# Altium PCB Mag256_9mm.PcbDoc (part 2 of 6)
Units mm, origin at the board's own origin, x right, y up, seen from the top; angles counter-clockwise.
Board outline 174.75 x 142 mm, 6 copper layers (L1 (SIG), L2 (GND), L3 (SIG), L4 (GND), L5 (PWR), L6 (SIG)), stack 1.597 mm thick; 756 components, 438 nets, 2517 pads, 2145 vias.
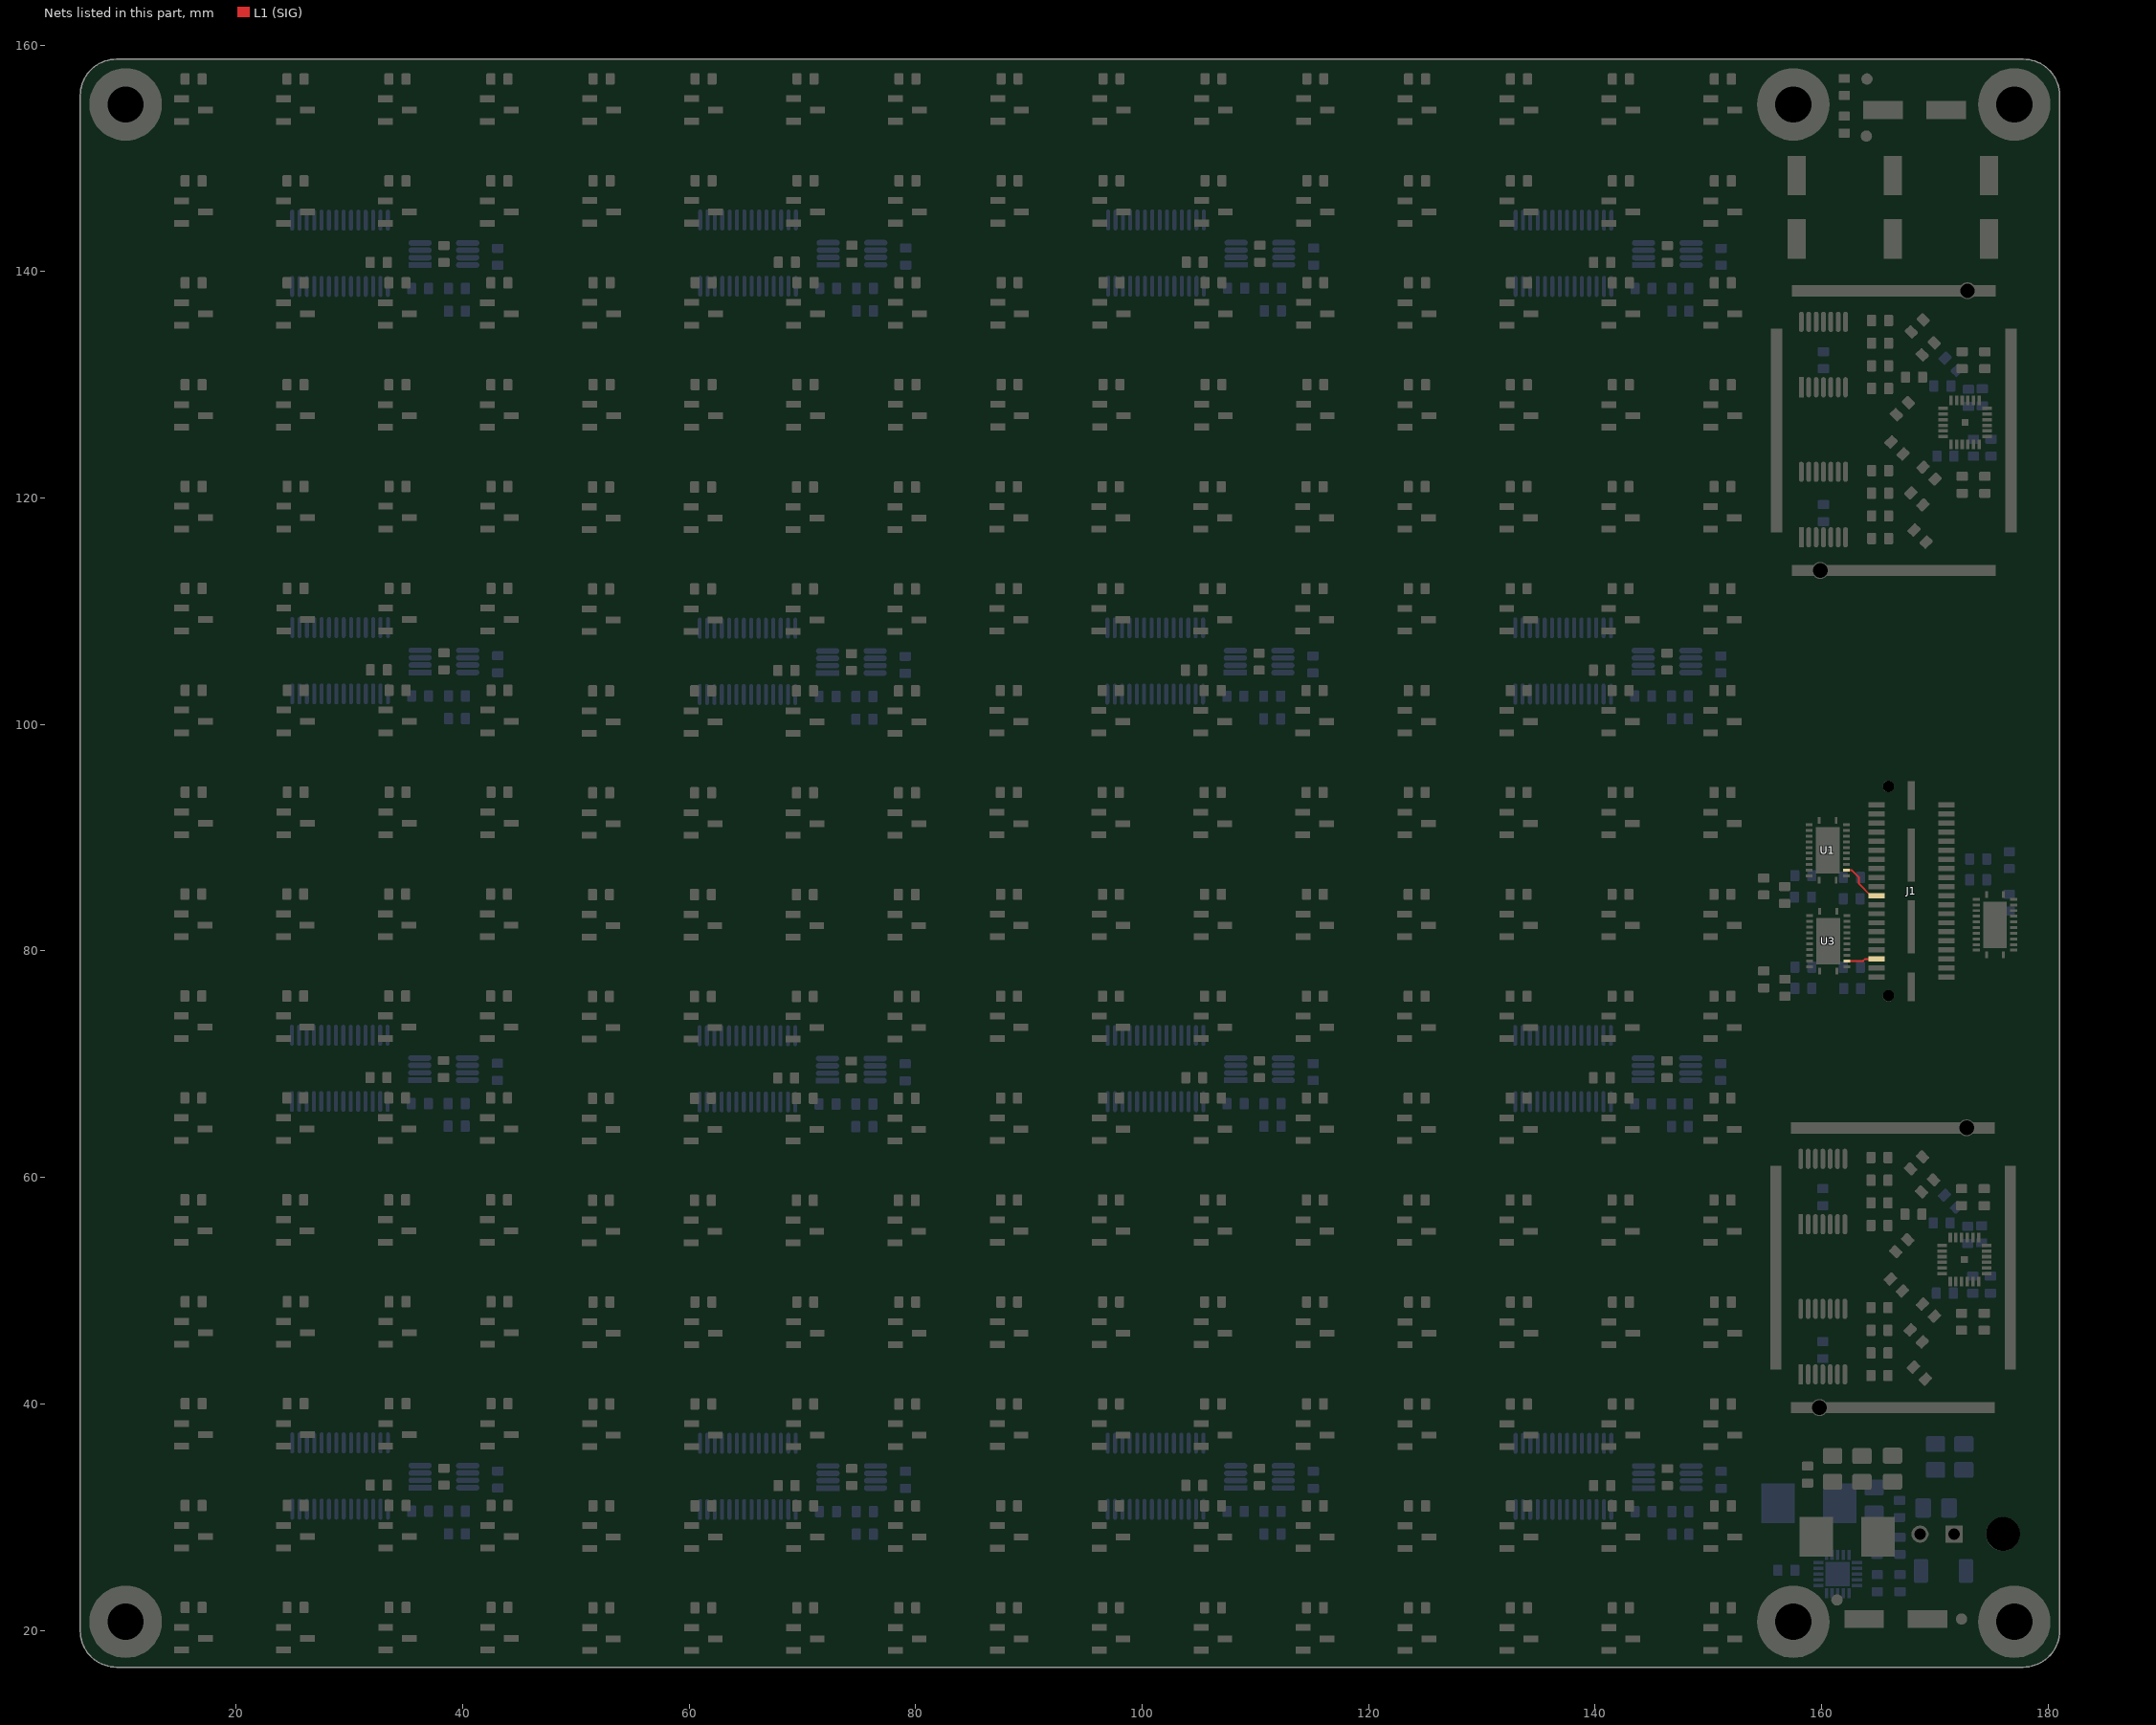
[diagram p6: the nets of this part, all layers, seen from the top]

## Components (designator, comment, footprint, x,y, rotation, side; value= is the part's Value field where it differs from the comment) (continued)
MAG8_B8 "DRV5055A4" SOT100P237X112-3N 142.242,109.251 r0 top (schematic designator MAG8)
MAG8_B9 "DRV5055A4" SOT100P237X112-3N 34.223,73.27 r0 top (schematic designator MAG8)
MAG8_B10 "DRV5055A4" SOT100P237X112-3N 70.224,73.227 r0 top (schematic designator MAG8)
MAG8_B11 "DRV5055A4" SOT100P237X112-3N 106.255,73.257 r0 top (schematic designator MAG8)
MAG8_B12 "DRV5055A4" SOT100P237X112-3N 142.236,73.251 r0 top (schematic designator MAG8)
MAG8_B13 "DRV5055A4" SOT100P237X112-3N 34.255,37.271 r0 top (schematic designator MAG8)
MAG8_B14 "DRV5055A4" SOT100P237X112-3N 70.262,37.241 r0 top (schematic designator MAG8)
MAG8_B15 "DRV5055A4" SOT100P237X112-3N 106.261,37.249 r0 top (schematic designator MAG8)
MAG8_B16 "DRV5055A4" SOT100P237X112-3N 142.274,37.234 r0 top (schematic designator MAG8)
MAG9_B1 "DRV5055A4" SOT100P237X112-3N 16.25,136.25 r0 top (schematic designator MAG9)
MAG9_B2 "DRV5055A4" SOT100P237X112-3N 52.279,136.268 r0 top (schematic designator MAG9)
MAG9_B3 "DRV5055A4" SOT100P237X112-3N 88.298,136.27 r0 top (schematic designator MAG9)
MAG9_B4 "DRV5055A4" SOT100P237X112-3N 124.273,136.25 r0 top (schematic designator MAG9)
MAG9_B5 "DRV5055A4" SOT100P237X112-3N 16.256,100.27 r0 top (schematic designator MAG9)
MAG9_B6 "DRV5055A4" SOT100P237X112-3N 52.233,100.215 r0 top (schematic designator MAG9)
MAG9_B7 "DRV5055A4" SOT100P237X112-3N 88.229,100.246 r0 top (schematic designator MAG9)
MAG9_B8 "DRV5055A4" SOT100P237X112-3N 124.242,100.251 r0 top (schematic designator MAG9)
MAG9_B9 "DRV5055A4" SOT100P237X112-3N 16.223,64.27 r0 top (schematic designator MAG9)
MAG9_B10 "DRV5055A4" SOT100P237X112-3N 52.224,64.227 r0 top (schematic designator MAG9)
MAG9_B11 "DRV5055A4" SOT100P237X112-3N 88.255,64.257 r0 top (schematic designator MAG9)
MAG9_B12 "DRV5055A4" SOT100P237X112-3N 124.236,64.251 r0 top (schematic designator MAG9)
MAG9_B13 "DRV5055A4" SOT100P237X112-3N 16.255,28.271 r0 top (schematic designator MAG9)
MAG9_B14 "DRV5055A4" SOT100P237X112-3N 52.262,28.241 r0 top (schematic designator MAG9)
MAG9_B15 "DRV5055A4" SOT100P237X112-3N 88.261,28.249 r0 top (schematic designator MAG9)
MAG9_B16 "DRV5055A4" SOT100P237X112-3N 124.274,28.234 r0 top (schematic designator MAG9)
MAG10_B1 "DRV5055A4" SOT100P237X112-3N 25.25,136.25 r0 top (schematic designator MAG10)
MAG10_B2 "DRV5055A4" SOT100P237X112-3N 61.279,136.268 r0 top (schematic designator MAG10)
MAG10_B3 "DRV5055A4" SOT100P237X112-3N 97.298,136.27 r0 top (schematic designator MAG10)
MAG10_B4 "DRV5055A4" SOT100P237X112-3N 133.273,136.25 r0 top (schematic designator MAG10)
MAG10_B5 "DRV5055A4" SOT100P237X112-3N 25.256,100.27 r0 top (schematic designator MAG10)
MAG10_B6 "DRV5055A4" SOT100P237X112-3N 61.233,100.215 r0 top (schematic designator MAG10)
MAG10_B7 "DRV5055A4" SOT100P237X112-3N 97.229,100.246 r0 top (schematic designator MAG10)
MAG10_B8 "DRV5055A4" SOT100P237X112-3N 133.242,100.251 r0 top (schematic designator MAG10)
MAG10_B9 "DRV5055A4" SOT100P237X112-3N 25.223,64.27 r0 top (schematic designator MAG10)
MAG10_B10 "DRV5055A4" SOT100P237X112-3N 61.224,64.227 r0 top (schematic designator MAG10)
MAG10_B11 "DRV5055A4" SOT100P237X112-3N 97.255,64.257 r0 top (schematic designator MAG10)
MAG10_B12 "DRV5055A4" SOT100P237X112-3N 133.236,64.251 r0 top (schematic designator MAG10)
MAG10_B13 "DRV5055A4" SOT100P237X112-3N 25.255,28.271 r0 top (schematic designator MAG10)
MAG10_B14 "DRV5055A4" SOT100P237X112-3N 61.262,28.241 r0 top (schematic designator MAG10)
MAG10_B15 "DRV5055A4" SOT100P237X112-3N 97.261,28.249 r0 top (schematic designator MAG10)
MAG10_B16 "DRV5055A4" SOT100P237X112-3N 133.274,28.234 r0 top (schematic designator MAG10)
MAG11_B1 "DRV5055A4" SOT100P237X112-3N 16.25,127.25 r0 top (schematic designator MAG11)
MAG11_B2 "DRV5055A4" SOT100P237X112-3N 52.279,127.268 r0 top (schematic designator MAG11)
MAG11_B3 "DRV5055A4" SOT100P237X112-3N 88.298,127.27 r0 top (schematic designator MAG11)
MAG11_B4 "DRV5055A4" SOT100P237X112-3N 124.273,127.25 r0 top (schematic designator MAG11)
MAG11_B5 "DRV5055A4" SOT100P237X112-3N 16.256,91.27 r0 top (schematic designator MAG11)
MAG11_B6 "DRV5055A4" SOT100P237X112-3N 52.233,91.215 r0 top (schematic designator MAG11)
MAG11_B7 "DRV5055A4" SOT100P237X112-3N 88.229,91.246 r0 top (schematic designator MAG11)
MAG11_B8 "DRV5055A4" SOT100P237X112-3N 124.242,91.251 r0 top (schematic designator MAG11)
MAG11_B9 "DRV5055A4" SOT100P237X112-3N 16.223,55.27 r0 top (schematic designator MAG11)
MAG11_B10 "DRV5055A4" SOT100P237X112-3N 52.224,55.227 r0 top (schematic designator MAG11)
MAG11_B11 "DRV5055A4" SOT100P237X112-3N 88.255,55.257 r0 top (schematic designator MAG11)
MAG11_B12 "DRV5055A4" SOT100P237X112-3N 124.236,55.251 r0 top (schematic designator MAG11)
MAG11_B13 "DRV5055A4" SOT100P237X112-3N 16.255,19.271 r0 top (schematic designator MAG11)
MAG11_B14 "DRV5055A4" SOT100P237X112-3N 52.262,19.241 r0 top (schematic designator MAG11)
MAG11_B15 "DRV5055A4" SOT100P237X112-3N 88.261,19.249 r0 top (schematic designator MAG11)
MAG11_B16 "DRV5055A4" SOT100P237X112-3N 124.274,19.234 r0 top (schematic designator MAG11)
MAG12_B1 "DRV5055A4" SOT100P237X112-3N 25.25,127.25 r0 top (schematic designator MAG12)
MAG12_B2 "DRV5055A4" SOT100P237X112-3N 61.279,127.268 r0 top (schematic designator MAG12)
MAG12_B3 "DRV5055A4" SOT100P237X112-3N 97.298,127.27 r0 top (schematic designator MAG12)
MAG12_B4 "DRV5055A4" SOT100P237X112-3N 133.273,127.25 r0 top (schematic designator MAG12)
MAG12_B5 "DRV5055A4" SOT100P237X112-3N 25.256,91.27 r0 top (schematic designator MAG12)
MAG12_B6 "DRV5055A4" SOT100P237X112-3N 61.233,91.215 r0 top (schematic designator MAG12)
MAG12_B7 "DRV5055A4" SOT100P237X112-3N 97.229,91.246 r0 top (schematic designator MAG12)
MAG12_B8 "DRV5055A4" SOT100P237X112-3N 133.242,91.251 r0 top (schematic designator MAG12)
MAG12_B9 "DRV5055A4" SOT100P237X112-3N 25.223,55.27 r0 top (schematic designator MAG12)
MAG12_B10 "DRV5055A4" SOT100P237X112-3N 61.224,55.227 r0 top (schematic designator MAG12)
MAG12_B11 "DRV5055A4" SOT100P237X112-3N 97.255,55.257 r0 top (schematic designator MAG12)
MAG12_B12 "DRV5055A4" SOT100P237X112-3N 133.236,55.251 r0 top (schematic designator MAG12)
MAG12_B13 "DRV5055A4" SOT100P237X112-3N 25.255,19.271 r0 top (schematic designator MAG12)
MAG12_B14 "DRV5055A4" SOT100P237X112-3N 61.262,19.241 r0 top (schematic designator MAG12)
MAG12_B15 "DRV5055A4" SOT100P237X112-3N 97.261,19.249 r0 top (schematic designator MAG12)
MAG12_B16 "DRV5055A4" SOT100P237X112-3N 133.274,19.234 r0 top (schematic designator MAG12)
MAG13_B1 "DRV5055A4" SOT100P237X112-3N 34.25,127.25 r0 top (schematic designator MAG13)
MAG13_B2 "DRV5055A4" SOT100P237X112-3N 70.279,127.268 r0 top (schematic designator MAG13)
MAG13_B3 "DRV5055A4" SOT100P237X112-3N 106.298,127.27 r0 top (schematic designator MAG13)
MAG13_B4 "DRV5055A4" SOT100P237X112-3N 142.273,127.25 r0 top (schematic designator MAG13)
MAG13_B5 "DRV5055A4" SOT100P237X112-3N 34.256,91.27 r0 top (schematic designator MAG13)
MAG13_B6 "DRV5055A4" SOT100P237X112-3N 70.233,91.215 r0 top (schematic designator MAG13)
MAG13_B7 "DRV5055A4" SOT100P237X112-3N 106.229,91.246 r0 top (schematic designator MAG13)
MAG13_B8 "DRV5055A4" SOT100P237X112-3N 142.242,91.251 r0 top (schematic designator MAG13)
MAG13_B9 "DRV5055A4" SOT100P237X112-3N 34.223,55.27 r0 top (schematic designator MAG13)
MAG13_B10 "DRV5055A4" SOT100P237X112-3N 70.224,55.227 r0 top (schematic designator MAG13)
MAG13_B11 "DRV5055A4" SOT100P237X112-3N 106.255,55.257 r0 top (schematic designator MAG13)
MAG13_B12 "DRV5055A4" SOT100P237X112-3N 142.236,55.251 r0 top (schematic designator MAG13)
MAG13_B13 "DRV5055A4" SOT100P237X112-3N 34.255,19.271 r0 top (schematic designator MAG13)
MAG13_B14 "DRV5055A4" SOT100P237X112-3N 70.262,19.241 r0 top (schematic designator MAG13)
MAG13_B15 "DRV5055A4" SOT100P237X112-3N 106.261,19.249 r0 top (schematic designator MAG13)
MAG13_B16 "DRV5055A4" SOT100P237X112-3N 142.274,19.234 r0 top (schematic designator MAG13)
MAG14_B1 "DRV5055A4" SOT100P237X112-3N 43.25,127.25 r0 top (schematic designator MAG14)
MAG14_B2 "DRV5055A4" SOT100P237X112-3N 79.279,127.268 r0 top (schematic designator MAG14)
MAG14_B3 "DRV5055A4" SOT100P237X112-3N 115.298,127.27 r0 top (schematic designator MAG14)
MAG14_B4 "DRV5055A4" SOT100P237X112-3N 151.273,127.25 r0 top (schematic designator MAG14)
MAG14_B5 "DRV5055A4" SOT100P237X112-3N 43.256,91.27 r0 top (schematic designator MAG14)
MAG14_B6 "DRV5055A4" SOT100P237X112-3N 79.233,91.215 r0 top (schematic designator MAG14)
MAG14_B7 "DRV5055A4" SOT100P237X112-3N 115.229,91.246 r0 top (schematic designator MAG14)
MAG14_B8 "DRV5055A4" SOT100P237X112-3N 151.242,91.251 r0 top (schematic designator MAG14)
MAG14_B9 "DRV5055A4" SOT100P237X112-3N 43.223,55.27 r0 top (schematic designator MAG14)
MAG14_B10 "DRV5055A4" SOT100P237X112-3N 79.224,55.227 r0 top (schematic designator MAG14)
MAG14_B11 "DRV5055A4" SOT100P237X112-3N 115.255,55.257 r0 top (schematic designator MAG14)
MAG14_B12 "DRV5055A4" SOT100P237X112-3N 151.236,55.251 r0 top (schematic designator MAG14)
MAG14_B13 "DRV5055A4" SOT100P237X112-3N 43.255,19.271 r0 top (schematic designator MAG14)
MAG14_B14 "DRV5055A4" SOT100P237X112-3N 79.262,19.241 r0 top (schematic designator MAG14)
MAG14_B15 "DRV5055A4" SOT100P237X112-3N 115.261,19.249 r0 top (schematic designator MAG14)
MAG14_B16 "DRV5055A4" SOT100P237X112-3N 151.274,19.234 r0 top (schematic designator MAG14)
MAG15_B1 "DRV5055A4" SOT100P237X112-3N 34.25,136.25 r0 top (schematic designator MAG15)
MAG15_B2 "DRV5055A4" SOT100P237X112-3N 70.279,136.268 r0 top (schematic designator MAG15)
MAG15_B3 "DRV5055A4" SOT100P237X112-3N 106.298,136.27 r0 top (schematic designator MAG15)
MAG15_B4 "DRV5055A4" SOT100P237X112-3N 142.273,136.25 r0 top (schematic designator MAG15)
MAG15_B5 "DRV5055A4" SOT100P237X112-3N 34.256,100.27 r0 top (schematic designator MAG15)
MAG15_B6 "DRV5055A4" SOT100P237X112-3N 70.233,100.215 r0 top (schematic designator MAG15)
MAG15_B7 "DRV5055A4" SOT100P237X112-3N 106.229,100.246 r0 top (schematic designator MAG15)
MAG15_B8 "DRV5055A4" SOT100P237X112-3N 142.242,100.251 r0 top (schematic designator MAG15)
MAG15_B9 "DRV5055A4" SOT100P237X112-3N 34.223,64.27 r0 top (schematic designator MAG15)
MAG15_B10 "DRV5055A4" SOT100P237X112-3N 70.224,64.227 r0 top (schematic designator MAG15)
MAG15_B11 "DRV5055A4" SOT100P237X112-3N 106.255,64.257 r0 top (schematic designator MAG15)
MAG15_B12 "DRV5055A4" SOT100P237X112-3N 142.236,64.251 r0 top (schematic designator MAG15)
MAG15_B13 "DRV5055A4" SOT100P237X112-3N 34.255,28.271 r0 top (schematic designator MAG15)
MAG15_B14 "DRV5055A4" SOT100P237X112-3N 70.262,28.241 r0 top (schematic designator MAG15)
MAG15_B15 "DRV5055A4" SOT100P237X112-3N 106.261,28.249 r0 top (schematic designator MAG15)
MAG15_B16 "DRV5055A4" SOT100P237X112-3N 142.274,28.234 r0 top (schematic designator MAG15)
MAG16_B1 "DRV5055A4" SOT100P237X112-3N 43.25,136.25 r0 top (schematic designator MAG16)
MAG16_B2 "DRV5055A4" SOT100P237X112-3N 79.279,136.268 r0 top (schematic designator MAG16)
MAG16_B3 "DRV5055A4" SOT100P237X112-3N 115.298,136.27 r0 top (schematic designator MAG16)
MAG16_B4 "DRV5055A4" SOT100P237X112-3N 151.273,136.25 r0 top (schematic designator MAG16)
MAG16_B5 "DRV5055A4" SOT100P237X112-3N 43.256,100.27 r0 top (schematic designator MAG16)
MAG16_B6 "DRV5055A4" SOT100P237X112-3N 79.233,100.215 r0 top (schematic designator MAG16)
MAG16_B7 "DRV5055A4" SOT100P237X112-3N 115.229,100.246 r0 top (schematic designator MAG16)
MAG16_B8 "DRV5055A4" SOT100P237X112-3N 151.242,100.251 r0 top (schematic designator MAG16)
MAG16_B9 "DRV5055A4" SOT100P237X112-3N 43.223,64.27 r0 top (schematic designator MAG16)
MAG16_B10 "DRV5055A4" SOT100P237X112-3N 79.224,64.227 r0 top (schematic designator MAG16)
MAG16_B11 "DRV5055A4" SOT100P237X112-3N 115.255,64.257 r0 top (schematic designator MAG16)
MAG16_B12 "DRV5055A4" SOT100P237X112-3N 151.236,64.251 r0 top (schematic designator MAG16)
MAG16_B13 "DRV5055A4" SOT100P237X112-3N 43.255,28.271 r0 top (schematic designator MAG16)
MAG16_B14 "DRV5055A4" SOT100P237X112-3N 79.262,28.241 r0 top (schematic designator MAG16)
MAG16_B15 "DRV5055A4" SOT100P237X112-3N 115.261,28.249 r0 top (schematic designator MAG16)
MAG16_B16 "DRV5055A4" SOT100P237X112-3N 151.274,28.234 r0 top (schematic designator MAG16)
MP1_ADC1 "3670250" 3670250 166.376,125.947 r90 top (schematic designator MP1)
MP1_ADC2 "3670250" 3670250 166.3,52.025 r90 top (schematic designator MP1)
R1_ADC1 "100R" RES_0603 174.406,132.169 r90 top (schematic designator R1)
R1_ADC2 "100R" RES_0603 174.35,58.25 r90 top (schematic designator R1)
R2_ADC1 "100R" RES_0603 174.406,121.169 r90 top (schematic designator R2)
R2_ADC2 "100R" RES_0603 174.35,47.25 r90 top (schematic designator R2)
R3_ADC1 "100R" RES_0603 172.406,132.169 r90 top (schematic designator R3)
R3_ADC2 "100R" RES_0603 172.35,58.25 r90 top (schematic designator R3)
R4_ADC1 "100R" RES_0603 172.406,121.169 r90 top (schematic designator R4)
R4_ADC2 "100R" RES_0603 172.35,47.25 r90 top (schematic designator R4)
R5 "33R" RES_0603 156.731,84.94 r90 top
R6 "33R" RES_0603 154.882,85.692 r90 top
R7 "33R" RES_0603 156.75,76.75 r90 top
R8 "33R" RES_0603 154.882,77.484 r90 top
R9 "11.8k 1%" RES_0603 166.904,27.465 r90 bottom
R10 "1k" RES_0603 162,152.975 r270 top
R11 "3.74k 1%" RES_0603 166.916,24.167 r90 bottom
R12 "11.8k" RES_0603 164.916,24.167 r90 bottom
R13_F11 "2.21k" RES_0603 36.25,138.5 r180 bottom (schematic designator R13)
R13_F12 "2.21k" RES_0603 72.279,138.518 r180 bottom (schematic designator R13)
R13_F13 "2.21k" RES_0603 108.298,138.52 r180 bottom (schematic designator R13)
R13_F14 "2.21k" RES_0603 144.273,138.5 r180 bottom (schematic designator R13)
R13_F15 "2.21k" RES_0603 36.256,102.52 r180 bottom (schematic designator R13)
R13_F16 "2.21k" RES_0603 72.233,102.465 r180 bottom (schematic designator R13)
R13_F17 "2.21k" RES_0603 108.229,102.496 r180 bottom (schematic designator R13)
R13_F18 "2.21k" RES_0603 144.242,102.501 r180 bottom (schematic designator R13)
R13_F19 "2.21k" RES_0603 36.223,66.52 r180 bottom (schematic designator R13)
R13_F110 "2.21k" RES_0603 72.224,66.477 r180 bottom (schematic designator R13)
R13_F111 "2.21k" RES_0603 108.255,66.507 r180 bottom (schematic designator R13)
R13_F112 "2.21k" RES_0603 144.236,66.501 r180 bottom (schematic designator R13)
R13_F113 "2.21k" RES_0603 36.255,30.521 r180 bottom (schematic designator R13)
R13_F114 "2.21k" RES_0603 72.262,30.491 r180 bottom (schematic designator R13)
R13_F115 "2.21k" RES_0603 108.261,30.499 r180 bottom (schematic designator R13)
R13_F116 "2.21k" RES_0603 144.274,30.484 r180 bottom (schematic designator R13)
R14_F11 "5k" RES_0603 39.5,138.5 r180 bottom (schematic designator R14)
R14_F12 "5k" RES_0603 75.529,138.518 r180 bottom (schematic designator R14)
R14_F13 "5k" RES_0603 111.548,138.52 r180 bottom (schematic designator R14)
R14_F14 "5k" RES_0603 147.523,138.5 r180 bottom (schematic designator R14)
R14_F15 "5k" RES_0603 39.506,102.52 r180 bottom (schematic designator R14)
R14_F16 "5k" RES_0603 75.483,102.465 r180 bottom (schematic designator R14)
R14_F17 "5k" RES_0603 111.479,102.496 r180 bottom (schematic designator R14)
R14_F18 "5k" RES_0603 147.492,102.501 r180 bottom (schematic designator R14)
R14_F19 "5k" RES_0603 39.473,66.52 r180 bottom (schematic designator R14)
R14_F110 "5k" RES_0603 75.474,66.477 r180 bottom (schematic designator R14)
R14_F111 "5k" RES_0603 111.505,66.507 r180 bottom (schematic designator R14)
R14_F112 "5k" RES_0603 147.486,66.501 r180 bottom (schematic designator R14)
R14_F113 "5k" RES_0603 39.505,30.521 r180 bottom (schematic designator R14)
R14_F114 "5k" RES_0603 75.512,30.491 r180 bottom (schematic designator R14)
R14_F115 "5k" RES_0603 111.511,30.499 r180 bottom (schematic designator R14)
R14_F116 "5k" RES_0603 147.524,30.484 r180 bottom (schematic designator R14)
R15_F11 "33R" RES_0603 165.156,131.669 r180 top (schematic designator R15)
R15_F12 "33R" RES_0603 165.1,57.75 r180 top (schematic designator R15)
R15_F21 "33R" RES_0603 165.156,118.419 r180 top (schematic designator R15)
R15_F22 "33R" RES_0603 165.1,44.5 r180 top (schematic designator R15)
R16_F11 "33R" RES_0603 165.156,129.669 r180 top (schematic designator R16)
R16_F12 "33R" RES_0603 165.1,55.75 r180 top (schematic designator R16)
R16_F21 "33R" RES_0603 165.156,116.419 r180 top (schematic designator R16)
R16_F22 "33R" RES_0603 165.1,42.5 r180 top (schematic designator R16)
R17_F11 "33R" RES_0603 165.156,133.669 r180 top (schematic designator R17)
R17_F12 "33R" RES_0603 165.1,59.75 r180 top (schematic designator R17)
R17_F21 "33R" RES_0603 165.156,120.419 r180 top (schematic designator R17)
R17_F22 "33R" RES_0603 165.1,46.5 r180 top (schematic designator R17)
R18_F11 "33R" RES_0603 165.156,135.669 r180 top (schematic designator R18)
R18_F12 "33R" RES_0603 165.1,61.75 r180 top (schematic designator R18)